# Altium PCB power.PcbDoc (part 3 of 3)
Units mm, origin at the board's own origin, x right, y up, seen from the top; angles counter-clockwise.
Board outline 41 x 59 mm, 4 copper layers (Top Layer, Grpund, Power, Bottom Layer); 116 components, 80 nets, 408 pads, 200 vias.
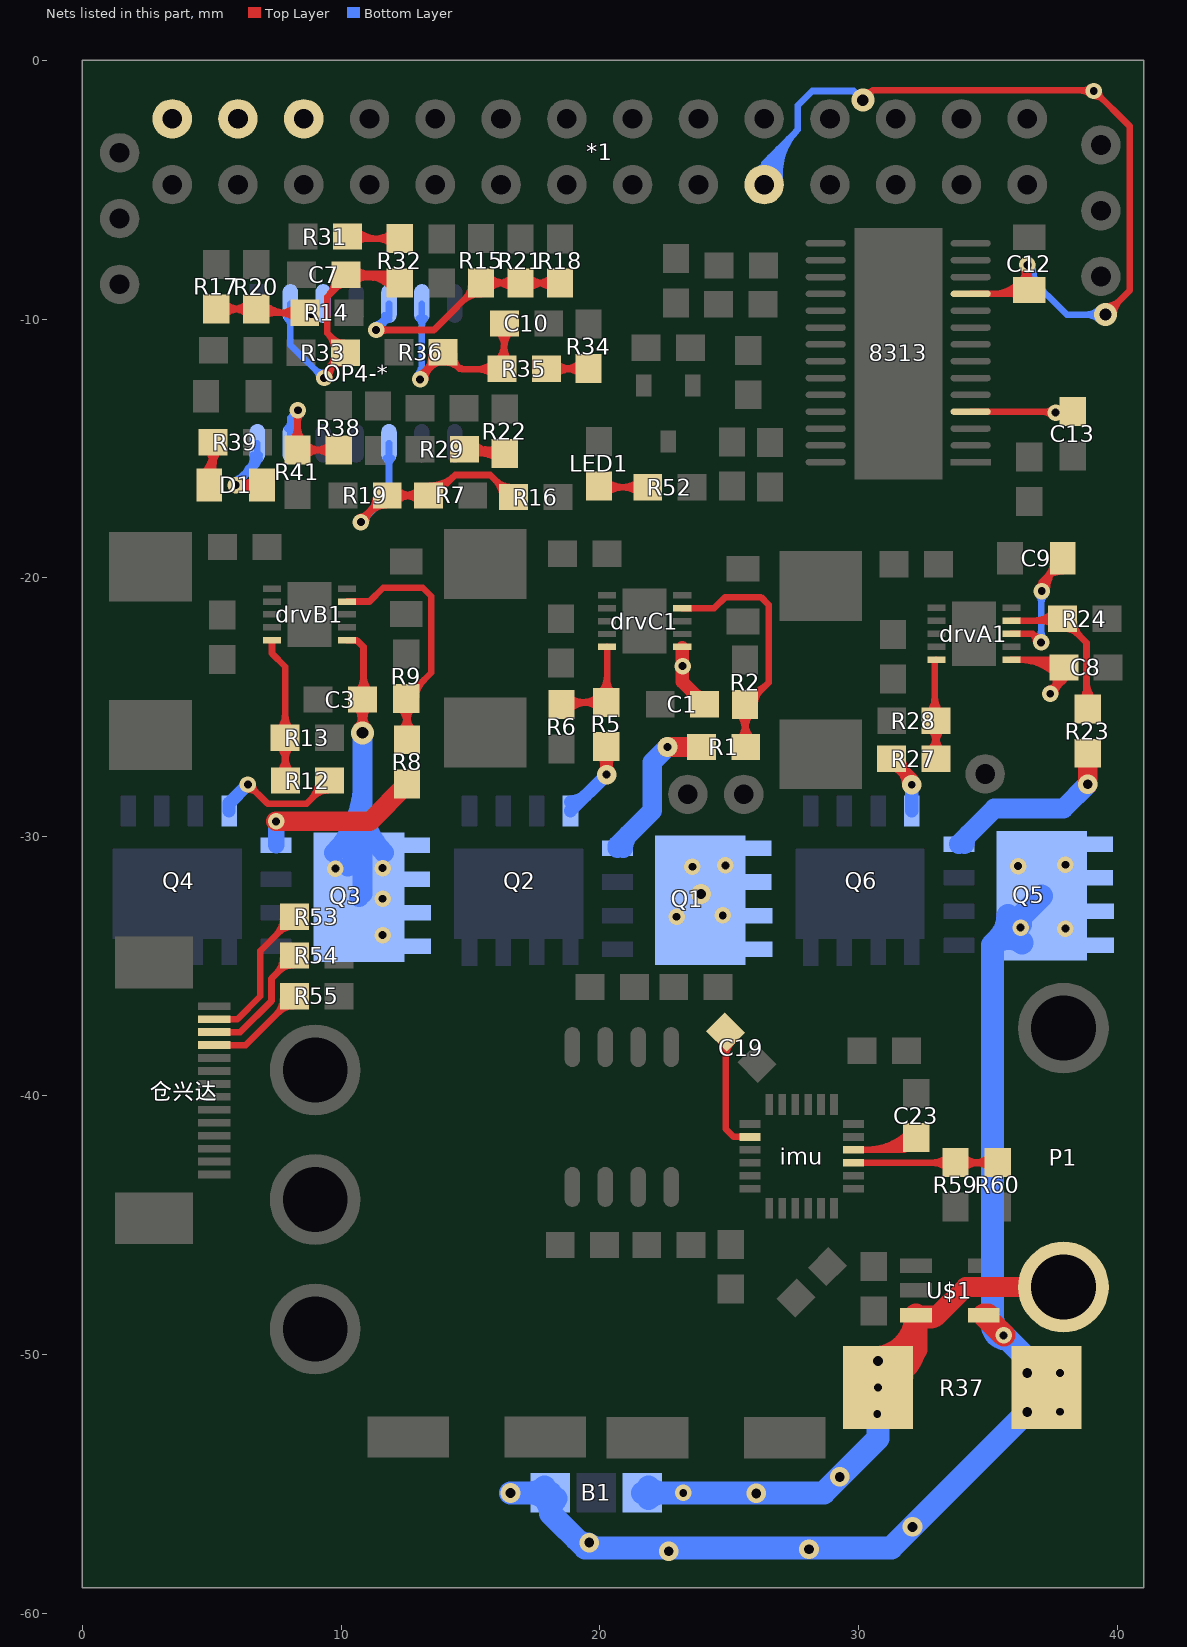
[diagram p5: the nets of this part, all layers, seen from the top]

## Via types
v1: diameter 0.635, hole 0.305, Top Layer to Bottom Layer, 147 vias
v2: diameter 0.889, hole 0.457, Top Layer to Bottom Layer, 25 vias
v3: diameter 0.762, hole 0.381, Top Layer to Bottom Layer, 18 vias
v4: diameter 0.635, hole 0.381, Top Layer to Bottom Layer, 5 vias
v5: diameter 0.762, hole 0.305, Top Layer to Bottom Layer, 4 vias
v6: diameter 0.762, hole 0.457, Top Layer to Bottom Layer, 1 vias

## Nets (pads, with @x,y where several pads share a name; then routed paths per layer and width w, separated by ;. In a path a pad name is that pad's centre, name@x,y a point inside that pad or via, vN(x,y) a via of type N, cw(c..) or ccw(c..) an arc to the next point about the centre after c; other vN are vias at no path point) (continued)
NetC7_2: C7.2 OP4-*.2 R32.1 R33.2 | length 23.1
  Top Layer w0.254: v1@9.298,-12.094 ccw(c9.209,-11.761) 9.507,-11.933 ; v1(9.347,-12.278) 9.347,-12.151 R33.2@10.16,-11.338 ; v1@9.429,-12.069 ccw(c8.666,-11.307) R33.2@9.744,-11.307 ; v1@9.531,-12.228 cw(c10.087,-12.079) 9.589,-11.792 ; v1@9.538,-12.278 cw(c10.304,-12.278) R33.2@9.762,-11.736 ; 9.587,-11.911 cw(c10.125,-12.45) R33.2@10.125,-11.688 ; 9.655,-10.731 ccw(c10.125,-10.261) R33.2@10.125,-10.926 ; R33.2@9.745,-11.279 ccw(c8.814,-11.211) 9.474,-10.55 ; C7.2@9.756,-8.333 cw(c8.779,-8.444) 9.474,-9.139 ; 9.807,-8.807 cw(c10.135,-9.134) C7.2@10.135,-8.671 ; C7.2@9.847,-8.767 ccw(c9.448,-8.368) C7.2@10.008,-8.304 ; R33.2@10.16,-11.363 R33.2@10.16,-11.338 ; C7.2@10.176,-8.259 10.176,-8.437 9.474,-9.139 ; R33.2@10.183,-11.314 R33.2@10.185,-11.312 ; R33.2@10.202,-11.307 R33.2@10.329,-11.307 ; C7.2@10.202,-8.259 R32.1@11.907,-8.259 ; C7.2@10.317,-8.388 cw(c10.635,-8.77) 10.747,-8.286 ; C7.2@10.48,-8.583 cw(c11.046,-9.265) 11.246,-8.401 ; C7.2@10.506,-8.559 cw(c11.23,-9.284) 11.23,-8.259 ; C7.2@10.506,-8.02 ccw(c11.082,-7.444) 11.082,-8.259 ; C7.2@10.56,-8.088 ccw(c10.994,-7.818) 10.878,-8.316 ; C7.2@10.632,-8.259 cw(c10.632,-10.191) R32.1@11.999,-8.825 ; 11.246,-8.259 cw(c11.246,-9.578) R32.1@12.178,-8.645 ; 9.474,-10.55 10.16,-11.236 R33.2@10.16,-11.338 ; 9.474,-10.55 9.474,-9.139
  Bottom Layer w0.254: OP4-*.2@7.92,-9.974 cw(c7.625,-10.27) 8.043,-10.27 cw(c8.46,-10.27) OP4-*.2@8.165,-9.974 ; OP4-*.2@8.043,-9.402 8.043,-10.998 v1@9.335,-12.29 ; 8.979,-11.934 ccw(c9.347,-11.566) v1@9.347,-12.087 ; 9.04,-11.996 cw(c8.758,-12.278) v1@9.157,-12.278
NetC9_2: C9.2 drvA1.3 | length 10.8
  Top Layer w0.254: drvA1.3@35.888,-22.158 36.702,-22.158 v1(37.033,-22.488) ; v1@36.843,-22.488 ccw(c36.383,-22.488) 36.708,-22.163 ccw(c37.033,-21.838) v1@37.033,-22.298 ; v1@36.953,-20.349 ccw(c36.822,-20.152) 37.059,-20.152 ; v1@36.995,-20.507 cw(c37.7,-20.507) 37.202,-20.009 ; v1(37.059,-20.507) 37.059,-20.152 ; v1@37.164,-20.349 cw(c37.295,-20.152) 37.059,-20.152 ; 37.178,-20.033 cw(c37.871,-20.726) C9.2@37.871,-19.745 ; v1@37.249,-20.507 cw(c38.568,-20.507) C9.2@37.635,-19.575 ; 37.258,-19.952 ccw(c36.679,-19.372) C9.2@37.498,-19.372 ; C9.2@37.871,-18.983 C9.2@37.871,-19.237 37.871,-19.339 37.059,-20.152
  Bottom Layer w0.254: v1@36.898,-22.354 ccw(c36.573,-22.028) 37.033,-22.028 ccw(c37.493,-22.028) v1@37.168,-22.354 ; v1@36.924,-20.642 cw(c36.66,-20.906) 37.033,-20.906 ; v1(37.033,-22.488) v1@37.033,-20.507 ; 37.033,-21.028 cw(c37.58,-21.028) v1@37.193,-20.642
NetC10_2: C10.2 OP4-*.6 R35.1 R36.2 | length 18.9
  Top Layer w0.254: v1@13.006,-12.144 ccw(c12.884,-11.687) 13.294,-11.924 ; v1@13.018,-12.316 13.945,-11.389 R36.2@13.945,-11.287 14.567,-11.909 ; v1@13.056,-12.138 ccw(c13.056,-11.801) 13.294,-12.039 ; v1@13.136,-12.198 ccw(c12.225,-11.287) R36.2@13.513,-11.287 ; v1@13.24,-12.279 cw(c13.671,-12.164) 13.284,-11.94 ; v1@13.246,-12.328 cw(c13.829,-12.328) 13.417,-11.916 ; 13.504,-11.83 cw(c13.894,-12.22) R36.2@13.894,-11.668 ; R36.2@13.569,-11.764 ccw(c13.092,-11.287) R36.2@13.767,-11.287 ; R36.2@13.995,-11.668 cw(c13.995,-12.465) 14.559,-11.901 ; R36.2@14.373,-11.337 ccw(c15.049,-11.427) 14.567,-11.909 ; 15.187,-11.947 ccw(c15.187,-10.941) R35.1@15.899,-11.653 ; 15.31,-11.947 cw(c15.31,-12.78) R35.1@15.899,-12.191 ; R35.1@16,-11.653 ccw(c15.26,-10.912) 16.307,-10.912 ; C10.2@16.037,-10.439 cw(c15.387,-11.089) 16.307,-11.089 cw(c17.227,-11.089) C10.2@16.576,-10.439 ; 16.307,-11.092 ccw(c17.1,-11.092) R35.1@16.539,-11.653 ; C10.2@16.307,-10.195 16.307,-11.897 16.256,-11.947 14.687,-11.947 14.649,-11.909 14.567,-11.909
  Bottom Layer w0.254: v1@12.921,-12.194 ccw(c12.434,-11.707) 13.123,-11.707 ; OP4-*.6@13,-9.974 cw(c12.705,-10.27) 13.123,-10.27 cw(c13.54,-10.27) OP4-*.6@13.245,-9.974 ; v1@13.081,-12.328 13.123,-12.287 OP4-*.6@13.123,-9.402
  other v1: 13.056,-12.328
NetC19_1: C19.1 imu.20 | length 6.2
  Top Layer w0.254: C19.1@24.616,-37.839 cw(c24.053,-38.403) 24.85,-38.403 ; 24.85,-38.576 cw(c25.892,-38.576) C19.1@25.155,-37.839 ; C19.1@24.85,-37.534 24.85,-41.268 25.166,-41.583 imu.20@25.79,-41.583
NetC23_2: C23.2 imu.10 | length 6.7
  Top Layer w0.254: imu.10@29.79,-42.083 31.738,-42.083 C23.2@32.207,-41.615 ; 30.278,-42.083 ccw(c30.278,-39.736) C23.2@31.938,-41.396 ; 30.891,-42.083 ccw(c30.891,-40.35) C23.2@32.117,-41.576 ; 31.505,-42.083 ccw(c31.505,-40.963) C23.2@32.297,-41.755
NetD1_1: D1.1 OP4-*.14 | length 9.8
  Top Layer w0.254: v1(5.936,-16.411) D1.1@6.943,-16.411 ; v1@6.033,-16.575 cw(c6.307,-17.042) D1.1@6.447,-16.519 ; v1@6.033,-16.246 ccw(c6.307,-15.779) D1.1@6.447,-16.302 ; v1@6.071,-16.545 cw(c6.396,-16.87) 6.396,-16.411 cw(c6.396,-15.951) v1@6.071,-16.276 ; v1@6.101,-16.506 cw(c6.418,-16.689) 6.323,-16.335 ; v1@6.101,-16.315 ccw(c6.418,-16.132) 6.323,-16.486 ; D1.1@6.68,-16.674 ccw(c6.043,-17.311) 6.043,-16.411 ccw(c6.043,-15.51) D1.1@6.68,-16.147
  Bottom Layer w0.254: v1@5.875,-16.23 ccw(c5.565,-15.326) 6.424,-15.746 ; v1(5.936,-16.411) 6.773,-15.574 ; v1@5.936,-16.22 ccw(c5.936,-15.76) 6.262,-16.085 ccw(c6.587,-16.411) v1@6.127,-16.411 ; 6.249,-16.098 ccw(c5.404,-15.252) OP4-*.14@6.6,-15.252 ; OP4-*.14@6.677,-15.396 cw(c6.559,-15.574) 6.773,-15.574 ; 6.683,-15.664 ccw(c6.271,-15.252) OP4-*.14@6.854,-15.252 ; OP4-*.14@6.773,-14.802 6.773,-15.574 ; OP4-*.14@6.868,-15.396 ccw(c6.986,-15.574) 6.773,-15.574
NetD1_2: D1.2 R39.2 | length 5.2
  Top Layer w0.254: D1.2@4.648,-16.012 ccw(c3.643,-15.007) R39.2@5.064,-15.007 ; R39.2@4.794,-15.029 cw(c4.144,-15.679) 5.064,-15.679 cw(c5.984,-15.679) R39.2@5.333,-15.029 ; D1.2@4.827,-16.191 ccw(c4.256,-15.62) 5.064,-15.62 ; D1.2@4.911,-16.411 5.064,-16.258 R39.2@5.064,-14.76 ; 5.064,-15.743 ccw(c5.444,-15.743) D1.2@5.175,-16.012
NetdrvA1_4: drvA1.4 R23.2 R24.1 | length 11.1
  Top Layer w0.254: drvA1.4@35.888,-21.658 R24.1@37.943,-21.658 ; 36.687,-21.658 ccw(c36.687,-20.452) R24.1@37.539,-21.305 ; 37.091,-21.658 cw(c37.091,-22.292) R24.1@37.539,-21.843 ; 37.3,-21.658 ccw(c37.3,-21.065) R24.1@37.719,-21.484 ; R24.1@37.86,-21.574 R24.1@37.943,-21.658 ; R24.1@37.91,-21.955 cw(c37.91,-22.752) 38.474,-22.188 ; R24.1@38.26,-21.658 R24.1@37.943,-21.658 ; R24.1@38.291,-21.574 ccw(c39.334,-21.574) 38.597,-22.311 ; R23.2@38.567,-24.734 ccw(c38.039,-24.206) 38.786,-24.206 ; 38.786,-23.961 ccw(c39.879,-23.961) R23.2@39.106,-24.734 ; R23.2@38.837,-25.054 38.786,-25.003 38.786,-22.5 R24.1@37.943,-21.658
NetdrvA1_10: drvA1.10 R27.2 R28.1 | length 8.2
  Top Layer w0.254: R28.1@32.661,-25.242 ccw(c32.016,-24.597) 32.928,-24.597 ; R27.2@32.7,-26.715 ccw(c32.021,-26.036) 32.981,-26.036 ; R28.1@32.712,-25.78 cw(c32.061,-26.431) 32.981,-26.431 cw(c33.901,-26.431) R28.1@33.25,-25.78 ; R28.1@32.928,-25.483 drvA1.10@32.928,-23.197 ; 32.928,-24.586 ccw(c33.856,-24.586) R28.1@33.2,-25.242 ; 32.928,-23.298 cw(c33.128,-23.298) drvA1.10@32.986,-23.156 ; R27.2@32.981,-26.972 R28.1@32.981,-25.511 ; 32.981,-26.093 ccw(c33.861,-26.093) R27.2@33.239,-26.715
NetdrvB1_4: drvB1.4 R8.2 R9.1 | length 13.9
  Top Layer w0.254: drvB1.4@10.234,-20.908 11.099,-20.908 11.631,-20.376 13.155,-20.376 13.487,-20.709 13.487,-23.657 12.548,-24.597 R8.2@12.548,-26.248 ; R9.1@12.25,-24.976 cw(c11.533,-25.693) R8.2@12.548,-25.693 ; R8.2@12.278,-25.927 ccw(c11.628,-25.277) 12.548,-25.277 ccw(c13.467,-25.277) R8.2@12.817,-25.927 ; R9.1@12.52,-24.224 ccw(c12.52,-23.256) 13.204,-23.94 ; 12.548,-25.559 cw(c13.373,-25.559) R9.1@12.789,-24.976 ; R9.1@12.901,-24.605 cw(c13.773,-24.605) 13.156,-23.988
NetdrvB1_10: drvB1.10 R12.2 R13.1 | length 10
  Top Layer w0.254: drvB1.10@7.334,-22.408 7.334,-22.914 7.849,-23.428 R12.2@7.849,-27.822 ; R13.1@7.567,-26.441 cw(c6.889,-27.12) 7.849,-27.12 ; R13.1@7.567,-25.902 ccw(c6.889,-25.223) 7.849,-25.223 ; R12.2@7.579,-27.553 ccw(c6.929,-26.903) 7.849,-26.903 ccw(c8.768,-26.903) R12.2@8.118,-27.553 ; 7.849,-27.063 cw(c8.728,-27.063) R13.1@8.106,-26.441 ; 7.849,-25.28 ccw(c8.728,-25.28) R13.1@8.106,-25.902
NetdrvC1_4: drvC1.4 R1.2 R2.1 | length 14.3
  Top Layer w0.254: drvC1.4@23.175,-21.162 24.415,-21.162 24.841,-20.736 26.213,-20.736 26.518,-21.041 26.518,-24.038 25.603,-24.952 R1.2@25.603,-26.502 ; R2.1@25.334,-25.208 cw(c24.683,-25.858) 25.603,-25.858 cw(c26.523,-25.858) R2.1@25.873,-25.208 ; R1.2@25.359,-26.258 ccw(c24.77,-25.669) 25.603,-25.669 ; 25.603,-25.546 ccw(c26.61,-25.546) R1.2@25.898,-26.258 ; R2.1@25.603,-24.71 ccw(c25.603,-24.125) R2.1@26.017,-24.539 ; R2.1@25.603,-24.456 ccw(c25.603,-23.258) 26.45,-24.105 ; R2.1@25.984,-24.837 cw(c26.626,-24.837) 26.172,-24.383
NetdrvC1_10: drvC1.10 R5.2 R6.1 | length 8.1
  Top Layer w0.254: R6.1@18.606,-24.8 R5.2@20.244,-24.8 ; R6.1@18.786,-25.108 cw(c19.531,-25.853) 19.531,-24.8 ; R6.1@18.786,-24.569 ccw(c19.342,-24.013) 19.342,-24.8 ; R5.2@19.974,-25.069 ccw(c19.324,-25.72) 19.324,-24.8 ccw(c19.324,-23.88) R5.2@19.974,-24.53 ; R5.2@19.974,-24.48 ccw(c19.248,-23.753) 20.275,-23.753 ; R5.2@20.275,-24.8 drvC1.10@20.275,-22.662 ; 20.275,-23.905 ccw(c21.088,-23.905) R5.2@20.513,-24.48
Netimu_9: imu.9 R59.2 R60.1 | length 10
  Top Layer w0.254: imu.9@29.79,-42.583 R60.1@35.408,-42.583 ; 32.803,-42.583 ccw(c32.803,-41.651) R59.2@33.462,-42.31 ; 32.82,-42.583 cw(c32.82,-43.491) R59.2@33.462,-42.849 ; R59.2@34.001,-42.849 cw(c34.642,-43.491) 34.642,-42.583 ; R59.2@34.001,-42.31 ccw(c34.66,-41.651) 34.66,-42.583 ; 34.4,-42.583 ccw(c34.4,-41.611) R60.1@35.087,-42.299 ; 34.474,-42.583 cw(c34.474,-43.451) R60.1@35.087,-42.837
NetLED1_2: LED1.2 R52.2 | length 4.7
  Top Layer w0.254: LED1.2@20.015,-16.494 R52.2@21.844,-16.494 ; LED1.2@20.234,-16.763 cw(c20.884,-17.414) 20.884,-16.494 cw(c20.884,-15.574) LED1.2@20.234,-16.225 ; R52.2@21.524,-16.763 ccw(c20.873,-17.414) 20.873,-16.494 ccw(c20.873,-15.574) R52.2@21.524,-16.225
NetOP4-*_3: OP4-*.3 R14.1 R17.2 R20.2 | length 12.2
  Top Layer w0.254: R17.2@5.182,-9.611 R20.2@6.731,-9.611 R20.2@6.833,-9.712 ; R17.2@5.451,-9.88 cw(c6.101,-10.53) 6.101,-9.611 cw(c6.101,-8.691) R17.2@5.451,-9.341 ; R20.2@6.462,-9.88 ccw(c5.811,-10.53) 5.811,-9.611 ccw(c5.811,-8.691) R20.2@6.462,-9.341 ; R20.2@6.782,-9.763 R14.1@8.599,-9.763 ; R20.2@6.821,-9.572 ccw(c7.283,-9.11) 7.283,-9.763 ; R20.2@7,-9.931 cw(c7.406,-10.336) 7.406,-9.763 ; R20.2@7,-9.392 ccw(c7.896,-8.496) 7.896,-9.763 ; R14.1@8.279,-10.032 ccw(c7.628,-10.683) 7.628,-9.763 ccw(c7.628,-8.843) R14.1@8.279,-9.494 ; R14.1@8.282,-9.763 cw(c8.282,-10.396) 8.73,-9.949 ccw(c8.33,-10.348) R14.1@8.33,-9.783 ; R14.1@8.297,-9.783 R14.1@8.551,-9.783 ; R14.1@8.479,-9.783 ccw(c8.479,-9.428) 8.73,-9.679 cw(c8.527,-9.477) R14.1@8.527,-9.763 ; R14.1@8.7,-9.909 ccw(c8.534,-10.005) R14.1@8.534,-9.814 ; R14.1@8.7,-9.718 cw(c8.534,-9.623) R14.1@8.534,-9.814 ; v1(8.865,-9.814) R14.1@8.534,-9.814
NetOP4-*_5: OP4-*.5 R15.1 R18.2 R21.2 | length 19.6
  Top Layer w0.254: v1(11.354,-10.423) 13.586,-10.423 R15.1@15.409,-8.601 ; v1@11.489,-10.558 cw(c11.814,-10.883) 11.814,-10.423 cw(c11.814,-9.963) v1@11.489,-10.289 ; 14.671,-9.338 cw(c15.409,-10.075) R15.1@15.409,-9.033 ; 14.794,-9.215 ccw(c14.23,-8.652) R15.1@15.028,-8.652 ; R15.1@15.434,-8.615 R21.2@16.933,-8.615 ; R15.1@15.678,-8.87 cw(c16.295,-9.488) 16.295,-8.615 ; R15.1@15.678,-8.332 ccw(c16.361,-7.648) 16.361,-8.615 ; R21.2@16.663,-8.884 ccw(c16.013,-9.534) 16.013,-8.615 ccw(c16.013,-7.695) R21.2@16.663,-8.345 ; R21.2@16.958,-8.615 R18.2@18.457,-8.615 ; R21.2@17.202,-8.884 cw(c17.852,-9.534) 17.852,-8.615 cw(c17.852,-7.695) R21.2@17.202,-8.345 ; R18.2@18.187,-8.884 ccw(c17.537,-9.534) 17.537,-8.615 ccw(c17.537,-7.695) R18.2@18.187,-8.345
  Bottom Layer w0.254: v1@11.309,-10.238 ccw(c11.175,-9.676) OP4-*.5@11.676,-9.965 ; v1(11.354,-10.423) 11.328,-10.423 11.853,-9.899 OP4-*.5@11.853,-9.402 ; v1@11.354,-10.233 ccw(c11.354,-9.834) 11.636,-10.116 ; v1@11.524,-10.228 ccw(c11.148,-9.852) OP4-*.5@11.68,-9.852 ; v1@11.538,-10.374 cw(c11.819,-10.299) 11.567,-10.153 ; v1@11.543,-10.446 cw(c12.135,-10.515) OP4-*.5@11.837,-9.999 ; v1@11.544,-10.423 cw(c12.066,-10.423) OP4-*.5@11.697,-10.055 ; 11.638,-10.114 cw(c11.853,-10.328) OP4-*.5@11.853,-10.025
NetOP4-*_10: OP4-*.10 R7.1 R16.2 R19.2 | length 21.5
  Top Layer w0.254: v1@10.655,-17.942 R19.2@11.786,-16.812 R7.1@13.374,-16.812 13.626,-16.812 14.413,-16.024 ; v1@10.72,-17.656 ccw(c10.517,-16.896) 11.198,-17.29 ; v1@10.77,-17.65 ccw(c10.77,-17.22) 11.073,-17.524 ; v1@10.787,-17.65 ccw(c10.815,-17.35) 11.076,-17.501 ; v1@10.96,-17.84 cw(c11.451,-17.84) 11.104,-17.493 ; 11.048,-17.549 ccw(c10.311,-16.812) R19.2@11.354,-16.812 ; 11.171,-17.426 cw(c11.735,-17.99) R19.2@11.735,-17.193 ; R19.2@12.106,-17.081 cw(c12.756,-17.731) 12.756,-16.812 cw(c12.756,-15.892) R19.2@12.106,-16.542 ; R7.1@13.054,-17.081 ccw(c12.403,-17.731) 12.403,-16.812 ccw(c12.403,-15.892) R7.1@13.054,-16.542 ; R7.1@13.425,-16.685 ccw(c13.428,-15.902) 13.982,-16.455 ; R7.1@13.426,-16.431 ccw(c13.432,-15.043) 14.413,-16.024 ; R7.1@13.806,-16.812 cw(c14.241,-16.812) 13.933,-16.504 ; 15.96,-16.222 cw(c15.307,-16.875) R16.2@16.231,-16.875 ; 15.964,-16.226 ccw(c16.612,-15.578) R16.2@16.612,-16.494 ; R16.2@16.662,-16.875 16.613,-16.875 15.762,-16.024 14.413,-16.024
  Bottom Layer w0.254: v1(10.77,-17.84) 11.853,-16.757 OP4-*.10@11.853,-14.802 ; v1@10.77,-17.65 ccw(c10.77,-17.19) 11.095,-17.515 ccw(c11.42,-17.84) v1@10.96,-17.84 ; OP4-*.10@11.73,-15.374 cw(c11.435,-15.67) 11.853,-15.67 cw(c12.27,-15.67) OP4-*.10@11.975,-15.374
NetOP4-*_13: OP4-*.13 R38.1 R41.2 | length 12
  Top Layer w0.254: R41.2@8.049,-14.739 ccw(c7.397,-14.086) 8.319,-14.086 ; v1@8.196,-13.657 cw(c7.9,-13.954) 8.319,-13.954 ; 8.319,-14.09 ccw(c9.236,-14.09) R41.2@8.588,-14.739 ; 8.319,-14.011 cw(c8.82,-14.011) v1@8.466,-13.657 ; v1@8.319,-13.559 R41.2@8.319,-15.059 R38.1@9.906,-15.058 ; R41.2@8.588,-15.328 cw(c9.24,-15.981) 9.24,-15.058 ; R41.2@8.588,-14.789 ccw(c9.236,-14.141) 9.236,-15.058 ; R38.1@9.637,-15.327 ccw(c8.986,-15.978) 8.986,-15.058 ccw(c8.986,-14.138) R38.1@9.637,-14.789
  Bottom Layer w0.254: OP4-*.13@7.92,-14.23 ccw(c7.625,-13.934) 8.043,-13.934 ccw(c8.46,-13.934) OP4-*.13@8.165,-14.23 ; OP4-*.13@8.043,-14.802 8.043,-13.811 v1(8.331,-13.522) ; OP4-*.13@8.043,-14.679 cw(c9.488,-14.679) v1@8.466,-13.657 ; OP4-*.13@8.043,-14.066 cw(c8.875,-14.066) v1@8.286,-13.477
NetQ1_G: Q1.G R1.1 | length 6.6
  Top Layer w0.762: v5(22.606,-26.527) R1.1@23.915,-26.527
  Bottom Layer w0.762: Q1.G@20.676,-30.44 20.676,-30.328 22.022,-28.981 22.022,-27.111 v5(22.606,-26.527) ; Q1.G@20.895,-30.44 cw(c21.694,-30.44) 21.129,-29.874
NetQ2_G: Q2.G R5.1 | length 9.7
  Top Layer w0.254: R5.1@19.978,-26.837 cw(c19.334,-27.497) v5@20.256,-27.485 ; v5@20.062,-27.431 ccw(c19.758,-27.178) 20.139,-27.07 ccw(c20.616,-26.936) v5@20.379,-27.371 ; v5@20.076,-27.417 ccw(c19.637,-26.988) 20.25,-26.981 ccw(c20.863,-26.973) v5@20.435,-27.412 ; v5@20.132,-27.373 ccw(c19.894,-26.955) 20.36,-27.073 ccw(c20.732,-27.168) v5@20.447,-27.424 ; R5.1@20.244,-26.513 20.244,-26.527 v5(20.258,-27.594) ; v5@20.256,-27.482 cw(c21.174,-27.471) R5.1@20.517,-26.83
  Top Layer w0.508: R5.1@20.064,-26.744 cw(c19.597,-27.211) 20.258,-27.211 ; v5(20.258,-27.594) R5.1@20.258,-26.527 ; 20.258,-27.144 cw(c20.824,-27.144) R5.1@20.423,-26.744
  Bottom Layer w0.508: Q2.G@18.861,-28.991 v5(20.258,-27.594) ; Q2.G@18.861,-28.645 ccw(c18.861,-27.809) 19.451,-28.4
NetQ3_G: Q3.G R8.1 | length 6.6
  Top Layer w0.762: v1(7.493,-29.397) 11.112,-29.397 R8.1@12.548,-27.961
  Bottom Layer w0.635: Q3.G@7.493,-30.326 v1(7.493,-29.397)
NetQ4_G: Q4.G R12.1 | length 7.4
  Top Layer w0.254: v1@6.375,-27.924 7.163,-28.711 8.673,-28.711 R12.1@9.562,-27.822 ; v1@6.401,-28.165 cw(c6.401,-28.687) 6.769,-28.318 ; v1@6.591,-27.975 ccw(c6.99,-27.975) 6.708,-28.257 ; 8.825,-28.56 ccw(c8.088,-27.822) R12.1@9.13,-27.822 ; 8.948,-28.437 cw(c9.511,-29.001) R12.1@9.511,-28.203
  Bottom Layer w0.508: Q4.G@5.676,-28.991 5.676,-28.7 v1(6.401,-27.975)
NetQ5_G: Q5.G R23.1 | length 7.9
  Top Layer w0.762: v3(38.837,-27.965) R23.1@38.837,-26.767
  Bottom Layer w0.508: Q5.G@33.858,-30.275 Q5.G@34.165,-30.275
  Bottom Layer w0.762: Q5.G@33.858,-30.275 35.228,-28.905 37.897,-28.905 v3(38.837,-27.965) ; Q5.G@34.077,-30.275 cw(c34.606,-30.275) 34.232,-29.901
NetQ6_G: Q6.G R27.1 | length 3.9
  Top Layer w0.508: R27.1@31.256,-26.984 32.041,-27.769 v5(32.041,-27.986) ; R27.1@31.306,-27.238 cw(c31.306,-27.729) R27.1@31.653,-27.382 ; R27.1@31.56,-26.984 ccw(c32.296,-26.984) 31.776,-27.505 ; R27.1@31.671,-27.399 cw(c31.084,-27.986) v5@31.914,-27.986
  Bottom Layer w0.508: Q6.G@32.041,-28.991 v5(32.041,-27.986)
NetR22_1: R22.1 R29.2 | length 6.1
  Top Layer w0.254: R29.2@14.808,-15.046 14.947,-15.185 R22.1@16.319,-15.185 ; R29.2@14.911,-14.944 ccw(c15.493,-14.361) 15.493,-15.185 ; R29.2@15.09,-15.303 cw(c15.375,-15.588) 15.375,-15.185 ; R29.2@15.09,-14.764 ccw(c16.106,-13.748) R22.1@16.106,-15.185 ; 15.562,-15.039 ccw(c15.679,-14.604) R22.1@16.026,-14.891 ; 15.647,-15.062 cw(c15.501,-15.607) R22.1@15.99,-15.325 ; R22.1@16.05,-15.454 ccw(c15.4,-16.105) 15.4,-15.185 ccw(c15.4,-14.265) R22.1@16.05,-14.916
NetR31_1: R31.1 R32.2 | length 5.4
  Top Layer w0.152: R32.2@12.04,-6.715 12.217,-6.893 R32.2@12.268,-6.944
  Top Layer w0.254: R31.1@10.248,-6.817 10.324,-6.893 12.217,-6.893 R32.2@12.268,-6.893 ; R31.1@10.568,-7.086 cw(c11.035,-7.552) 11.035,-6.893 ; R31.1@10.568,-6.547 ccw(c11.403,-5.713) 11.403,-6.893 ; R32.2@11.999,-7.162 ccw(c11.348,-7.813) 11.348,-6.893 ccw(c11.348,-5.973) R32.2@11.999,-6.623 ; R32.2@12.04,-6.715 R32.2@12.192,-6.715
NetR34_1: R34.1 R35.2 | length 4.5
  Top Layer w0.254: R35.2@17.932,-11.922 R34.1@19.507,-11.922 ; R35.2@18.253,-12.191 cw(c18.903,-12.842) 18.903,-11.922 cw(c18.903,-11.002) R35.2@18.253,-11.653 ; 18.605,-11.922 ccw(c18.605,-10.956) R34.1@19.289,-11.639 ; 18.671,-11.922 cw(c18.671,-12.795) R34.1@19.289,-12.178
NetR53_2: R53.2 仓兴达.2 | length 7.2
  Top Layer w0.254: 仓兴达.2@5.105,-37.037 6,-37.037 6.883,-36.154 6.883,-34.401 R53.2@8.204,-33.08 ; 7.467,-33.817 ccw(c6.73,-33.08) R53.2@7.772,-33.08 ; 7.59,-33.695 cw(c8.153,-34.258) R53.2@8.153,-33.461
NetR54_2: R54.2 仓兴达.3 | length 6.3
  Top Layer w0.254: 仓兴达.3@5.105,-37.537 6.11,-37.537 7.315,-36.331 7.315,-35.468 R54.2@8.204,-34.579 ; 7.467,-35.316 ccw(c6.73,-34.579) R54.2@7.772,-34.579 ; 7.59,-35.193 cw(c8.153,-35.757) R54.2@8.153,-34.96
NetR55_2: R55.2 仓兴达.4 | length 5.3
  Top Layer w0.254: 仓兴达.4@5.105,-38.037 6.321,-38.037 R55.2@8.204,-36.154 ; 7.467,-36.891 ccw(c6.73,-36.154) R55.2@7.772,-36.154 ; 7.59,-36.768 cw(c8.153,-37.332) R55.2@8.153,-36.535
VA.: *1.12
VB.: *1.13
VBAT: B1.1 P1.1 R37.2 U$1.3 | length 34.7
  Top Layer w0.762: U$1.3@32.202,-48.467 33.041,-48.467 ; U$1.3@32.488,-48.559 ccw(c32.701,-48.127) 33.041,-48.467 ; U$1.3@32.533,-48.569 ccw(c32.533,-47.587) 33.227,-48.281 ; P1.1@37.897,-47.38 34.128,-47.38 33.041,-48.467
  Top Layer w0.889: R37.2@30.62,-51.211 cw(c31.132,-51.461) R37.2@30.947,-50.922 ; R37.2@30.672,-50.108 ccw(c30.558,-48.468) U$1.3@32.202,-48.467 32.202,-49.794 ; R37.2@30.726,-50.304 ccw(c30.94,-48.532) 32.202,-49.794 ; R37.2@30.734,-50.995 ccw(c30.624,-49.421) 32.202,-49.421 ; R37.2@30.783,-50.201 cw(c30.179,-50.705) R37.2@30.735,-51.261 32.202,-49.794 ; R37.2@30.96,-50.134 ccw(c31.283,-48.875) 32.202,-49.794 ; R37.2@31.641,-51.011 cw(c33.223,-51.011) 32.104,-49.892
  Bottom Layer w0.889: B1.1@21.641,-55.331 28.642,-55.331 30.734,-53.238 v1(30.734,-51.267) ; B1.1@21.865,-55.555 cw(c22.407,-56.097) 22.407,-55.331 cw(c22.407,-54.564) B1.1@21.865,-55.106
  other v1: 23.216,-55.331 30.709,-52.283
  other v3: 26.035,-55.347 29.261,-54.712 30.734,-50.241
VC.: *1.14
VCC: 8313.4 8313.11 *1.24 B1.3 C1.1 C3.1 C8.1 C12.2 C13.1 drvA1.1 drvB1.1 drvC1.1 Q1.D Q3.D Q5.D R37.1 U$1.4 | length 156.5
  Top Layer w0.254: drvB1.1@10.234,-22.408 10.615,-22.408 10.869,-22.662 C3.1@10.869,-24.694 ; drvB1.1@10.459,-22.406 cw(c10.459,-22.778) 10.722,-22.515 ; C3.1@10.56,-24.964 cw(c9.91,-25.614) 10.83,-25.614 cw(c11.75,-25.614) C3.1@11.099,-24.964 ; v2@10.605,-25.753 ccw(c10.063,-25.211) 10.83,-25.211 ccw(c11.596,-25.211) v2@11.054,-25.753 ; C3.1@10.611,-24.425 ccw(c9.989,-23.803) 10.869,-23.803 ; v2@10.62,-25.74 ccw(c10.339,-25.422) 10.749,-25.312 ; v2@10.671,-25.703 ccw(c10.448,-25.317) 10.879,-25.432 ; 10.781,-25.432 ccw(c11.211,-25.317) v2@10.989,-25.703 ; v2(10.83,-25.978) C3.1@10.83,-24.694 ; 10.869,-23.746 ccw(c11.829,-23.746) C3.1@11.15,-24.425 ; 10.911,-25.312 ccw(c11.321,-25.422) v2@11.04,-25.74 ; v2(30.15,-1.549) 30.531,-1.168 ; v2@30.237,-1.244 ccw(c30.32,-0.957) 30.531,-1.168 ; v2@30.455,-1.462 cw(c30.742,-1.379) 30.531,-1.168 ; 8313.4@34.315,-13.579 C13.1@38.252,-13.577 ; 8313.11@34.315,-9.029 36.502,-9.029 v1(36.502,-7.911) cw(c35.591,-7.911) C12.2@36.194,-8.594 ; 35.167,-9.029 ccw(c35.167,-7.6) C12.2@36.177,-8.61 ; 35.78,-9.029 ccw(c35.78,-8.213) C12.2@36.357,-8.79 ; drvA1.1@35.888,-23.158 37.614,-23.158 C8.1@37.91,-23.454 37.91,-23.948 v1(37.389,-24.47) ccw(c36.877,-23.958) C8.1@37.521,-23.628 ; 35.914,-9.029 cw(c35.914,-9.401) C12.2@36.177,-9.138 ; drvA1.1@36.225,-23.158 cw(c36.225,-25.088) C8.1@37.59,-23.723 ; v1@36.337,-8.006 cw(c35.939,-8.236) 36.383,-8.355 cw(c36.827,-8.474) v1@36.597,-8.076 ; v1@36.367,-8.046 cw(c36.042,-8.371) 36.502,-8.371 cw(c36.962,-8.371) v1@36.637,-8.046 ; v1@36.407,-8.076 cw(c36.27,-8.314) 36.535,-8.243 ; v1@36.502,-8.121 ccw(c37.194,-8.121) C12.2@36.705,-8.61 ; C12.2@36.57,-8.376 cw(c36.934,-8.279) v1@36.647,-8.035 ; 36.839,-23.158 cw(c36.839,-24.475) C8.1@37.77,-23.543 ; 37.046,-13.579 cw(c37.046,-14.16) v1@37.457,-13.749 ; 37.218,-13.579 ccw(c37.218,-13.24) v1@37.457,-13.48 ; v1@37.329,-13.579 ccw(c37.329,-12.654) C13.1@37.983,-13.308 ; v1@37.336,-13.579 cw(c37.336,-14.493) C13.1@37.983,-13.847 ; v1@37.339,-24.286 ccw(c37.141,-23.544) C8.1@37.806,-23.928 ; v1@37.369,-24.28 ccw(c37.34,-24.009) 37.576,-24.145 ccw(c37.812,-24.282) v1@37.563,-24.392 ; v1@37.389,-24.279 ccw(c37.389,-23.819) 37.714,-24.144 ccw(c38.039,-24.47) v1@37.579,-24.47 ; v1@37.427,-24.283 ccw(c37.472,-24.069) 37.661,-24.178 ; 37.635,-24.223 ccw(c37.203,-23.791) C8.1@37.747,-23.512 ; v1@37.727,-13.749 cw(c38.138,-14.16) C13.1@38.138,-13.579 ; v1@37.727,-13.48 ccw(c37.966,-13.24) C13.1@37.966,-13.579 ; 37.881,-23.977 ccw(c37.528,-23.624) C8.1@37.973,-23.396 ; 38.544,-1.168 cw(c38.544,-1.715) v1@38.93,-1.329 ; 38.667,-1.168 ccw(c38.667,-0.795) v1@38.93,-1.059 ; v1@39.065,-1.384 cw(c39.065,-1.906) 39.434,-1.537 ; v1@39.256,-1.194 ccw(c39.654,-1.194) 39.372,-1.476 ; v2(39.522,-9.83) 40.462,-8.89 40.462,-2.565 39.065,-1.168 30.531,-1.168 ; v2@39.522,-9.512 ccw(c39.522,-8.746) 40.064,-9.288 ccw(c40.606,-9.83) v2@39.84,-9.83
  Top Layer w0.508: drvC1.1@23.175,-22.694 23.175,-24.011 C1.1@24.04,-24.876 ; 23.52,-24.356 cw(c23,-24.876) C1.1@23.735,-24.876 ; C1.1@23.643,-24.478 ccw(c23.989,-24.131) C1.1@23.989,-24.622
  Top Layer w0.889: U$1.4@34.823,-48.467 v1@35.596,-49.24 ; U$1.4@34.988,-48.467 ccw(c35.387,-48.467) 35.105,-48.749
  Bottom Layer w0.254: *1.24@26.179,-4.196 ccw(c26.125,-3.988) 26.34,-3.988 ; *1.24@26.214,-4.829 cw(c27.449,-4.644) 26.566,-3.761 ; *1.24@26.34,-4.81 26.34,-3.988 ; *1.24@26.465,-4.791 cw(c28.069,-4.552) 26.922,-3.405 ; *1.24@26.5,-4.196 cw(c26.555,-3.988) 26.34,-3.988 ; *1.24@26.717,-4.754 cw(c28.689,-4.459) 27.279,-3.049 ; *1.24@26.968,-4.716 cw(c29.309,-4.366) 27.635,-2.692 ; v2(30.15,-1.549) 29.794,-1.194 28.194,-1.194 27.635,-1.753 27.635,-2.692 ; v1@36.383,-8.06 cw(c36.184,-8.308) 36.502,-8.308 ; v1@36.439,-7.911 ccw(c37.244,-7.911) 36.675,-8.481 ; v1(36.502,-7.911) 36.502,-8.308 ; v1@36.621,-8.06 ccw(c36.821,-8.308) 36.502,-8.308 ; v1@36.693,-7.911 ccw(c38.111,-7.911) 37.108,-8.914 ; v2@39.298,-10.054 ccw(c38.756,-10.596) 38.756,-9.83 ccw(c38.756,-9.063) v2@39.298,-9.605 ; v2(39.522,-9.83) 38.024,-9.83 36.502,-8.308 ; 26.34,-3.988 27.635,-2.692
  Bottom Layer w0.762: Q3.D@9.725,-30.607 ccw(c7.057,-27.94) 10.83,-27.94 ; Q3.D@10.264,-31.146 ccw(c8.897,-29.779) 10.83,-29.779 ; Q3.D@10.693,-32.325 10.83,-32.189 v2(10.83,-25.978) ; 10.83,-28.601 ccw(c13.667,-28.601) Q3.D@11.661,-30.607
  Bottom Layer w0.889: v3(16.545,-55.331) B1.3@18.085,-55.331 18.085,-56.118 19.422,-57.455 31.251,-57.455 37.795,-50.911 37.246,-50.911 ; B1.3@17.86,-55.106 cw(c17.318,-54.564) 17.318,-55.331 cw(c17.318,-56.097) 17.86,-55.555 cw(c17.318,-56.097) 18.085,-56.097 cw(c18.851,-56.097) B1.3@18.309,-55.555 ; 19.069,-57.102 ccw(c19.583,-56.587) v3@19.583,-57.315 ; v3@19.538,-57.297 ccw(c19.921,-56.914) 19.921,-57.455 ; 35.154,-48.515 ccw(c36.321,-48.515) v1@35.496,-49.34 ; Q5.D@35.36,-33.973 ccw(c34.412,-33.025) Q5.D@35.753,-33.025 ; v1@35.543,-49.37 cw(c35.739,-48.819) 35.154,-48.819 ; Q5.D@35.753,-33.58 cw(c36.246,-34.072) Q5.D@36.246,-33.376 ; Q5.D@36.119,-33.503 cw(c36.815,-33.503) Q5.D@36.323,-33.01 ; 36.231,-49.896 cw(c35.429,-50.698) v3@36.563,-50.698 ; Q5.D@36.297,-34.086 ccw(c35.781,-34.806) 35.154,-34.179 ; v3@36.472,-50.641 cw(c36.813,-51.337) 37.2,-50.666 ; v3@36.495,-50.635 cw(c36.572,-51.585) 37.246,-50.911 ; 36.729,-50.394 ccw(c37.77,-49.354) v1@37.77,-50.825 ; Q5.D@37.058,-32.275 35.154,-34.179 ; 35.154,-48.819 v1(35.585,-49.251) 37.246,-50.911 ; 35.154,-48.819 35.154,-34.179 ; v3@36.455,-50.743 ccw(c36.86,-50.338) 36.86,-50.911 cw(c36.86,-50.338) v3@36.455,-50.743
  other v1: 37.77,-52.198 37.77,-50.698 11.608,-33.791 37.973,-33.537 36.246,-33.503 22.962,-33.08 24.74,-33.029 11.608,-32.385 9.779,-31.226 11.608,-31.201 23.571,-31.15 36.144,-31.124 24.841,-31.099 37.973,-31.074 23.19,-23.403 37.592,-13.614 39.065,-1.194
  other v3: 22.657,-57.582 28.067,-57.506 19.583,-57.252 32.064,-56.642 36.5,-52.206 36.5,-50.698 23.901,-32.207
pads on no net: 8313.12 8313.13 8313.19 8313.21 AS5600.3 AS5600.5 DaughterBoard.1 drvA1.0 drvA1.2 drvB1.0 drvB1.2 drvC1.0 drvC1.2 imu.2 imu.3 imu.4 imu.5 imu.6 imu.7 imu.11 imu.12 imu.14 imu.15 imu.16 imu.17 imu.19 imu.21 imu.22 MotorMount.1 MotorMount.2 MotorMount.3

## Polygon pours and split planes (outlines as drawn)
GND on Bottom Layer "Top Layer-No Net" (solid, pour order 6): 41,0 0,0 0,-59 41,-59
GND on Top Layer "Top Layer-No Net" (solid, pour order 4): 0,0 41,0 41,-59 0,-59
Net8313_9 on Grpund (split plane): 38.352,-9.809 38.352,-12.01 36.444,-13.917 31.394,-13.917 31.328,-13.926 31.266,-13.951 31.213,-13.992 25.905,-19.301 25.864,-19.354 25.838,-19.415 25.83,-19.482 25.83,-25.167 20.113,-30.883 20.073,-30.936 20.047,-30.998 20.038,-31.064 20.038,-33.473 19.35,-34.161 16.438,-34.161 14.252,-31.974 14.252,-29.619 19.025,-29.619 19.091,-29.61 19.153,-29.584 19.206,-29.544 23.625,-25.124 23.666,-25.071 23.674,-25.053 23.692,-25.009 23.7,-24.943 23.7,-18.699 23.804,-18.595 23.826,-18.586 23.879,-18.545 25.835,-16.59 25.876,-16.536 25.901,-16.475 25.91,-16.408 25.91,-12.956 35.56,-12.956 35.626,-12.947 35.688,-12.922 35.741,-12.881 36.427,-12.195 36.468,-12.142 36.475,-12.124 36.493,-12.081 36.502,-12.014 36.502,-10.497 36.493,-10.431 36.468,-10.369 36.427,-10.316 36.071,-9.96 36.758,-9.273 37.816,-9.273
Net8313_5 on Grpund (split plane): 39.444,-16.515 39.444,-19.376 34.007,-24.812 33.967,-24.866 33.941,-24.927 33.932,-24.994 33.932,-32.304 31.441,-34.796 28.478,-34.796 27.307,-33.625 27.307,-29.949 30.328,-29.949 30.394,-29.94 30.456,-29.914 30.509,-29.874 31.449,-28.934 31.489,-28.881 31.515,-28.819 31.524,-28.753 31.524,-23.296 35.957,-18.863 35.998,-18.81 36.023,-18.748 36.032,-18.682 36.032,-17.01 37.292,-15.75 38.68,-15.75
Net8313_8 on Grpund (split plane): 35.487,-10.088 35.528,-10.141 35.99,-10.603 35.99,-11.908 35.454,-12.444 20.549,-12.444 20.482,-12.453 20.421,-12.478 20.367,-12.519 12.365,-20.521 11.303,-20.521 11.237,-20.53 11.175,-20.555 11.122,-20.596 9.115,-22.603 9.075,-22.656 9.049,-22.717 9.04,-22.784 9.04,-32.279 6.472,-34.847 3.18,-34.847 2.237,-33.904 2.237,-30.307 4.296,-28.248 4.337,-28.195 4.355,-28.151 4.362,-28.133 4.371,-28.067 4.371,-24.185 12.399,-16.157 12.422,-16.148 12.475,-16.107 18.547,-10.035 35.465,-10.035
GND on Grpund (split plane): 40.49,-58.49 0.51,-58.49 0.51,-0.51 40.49,-0.51
VCC on Power (split plane): 27.633,-4.738 27.633,-8.341 27.642,-8.407 27.667,-8.469 27.708,-8.522 29.157,-9.971 29.157,-16.845 27.173,-18.829 15.522,-18.829 15.522,-17.175 15.535,-17.173 15.597,-17.148 15.65,-17.107 16.818,-15.939 16.859,-15.885 16.884,-15.824 16.893,-15.757 16.893,-12.206 20.369,-8.731 20.369,-13.421 20.377,-13.487 20.403,-13.549 20.444,-13.602 25.066,-18.225 25.12,-18.265 25.181,-18.291 25.248,-18.3 26.721,-18.3 26.787,-18.291 26.849,-18.265 26.902,-18.225 28.096,-17.031 28.136,-16.978 28.162,-16.916 28.171,-16.85 28.171,-15.91 28.162,-15.843 28.136,-15.782 28.096,-15.729 26.164,-13.797 26.164,-6.274 26.155,-6.207 26.13,-6.146 26.089,-6.093 25.301,-5.304 25.301,-3.898 26.792,-3.898
3.3D on Power (split plane): 24.788,-5.41 24.797,-5.477 24.823,-5.538 24.863,-5.591 25.652,-6.38 25.652,-13.903 25.661,-13.97 25.686,-14.031 25.727,-14.084 27.658,-16.016 27.658,-16.743 26.615,-17.787 25.354,-17.787 20.881,-13.314 20.881,-8.218 22.711,-6.388 22.752,-6.335 22.77,-6.291 22.777,-6.273 22.786,-6.207 22.786,-4.327 22.777,-4.261 22.77,-4.243 22.752,-4.199 22.727,-4.168 24.774,-4.168 24.788,-4.166
VBAT on Power (split plane): 40.49,-49.604 36.027,-49.604 35.96,-49.613 35.899,-49.638 35.845,-49.679 29.57,-55.954 21.172,-55.954 20.322,-55.104 20.322,-52.719 24.897,-48.145 34.569,-48.145 34.636,-48.136 34.697,-48.11 34.751,-48.07 35.919,-46.901 35.96,-46.848 35.985,-46.786 35.994,-46.72 35.994,-45.831 35.985,-45.765 35.96,-45.703 35.919,-45.65 35.683,-45.414 40.49,-45.414
3.3A on Power (split plane): 35.278,-37.089 35.278,-44.902 30.015,-44.902 25.504,-40.391 25.504,-36.179 25.502,-36.166 27.097,-34.572 32.761,-34.572
3.3 on Power (split plane): 34.135,-20.68 34.135,-21.966 33.625,-22.477 31.043,-22.477 30.306,-21.739 30.252,-21.698 30.191,-21.673 30.124,-21.664 5.999,-21.664 4.904,-20.569 4.904,-19.685 4.897,-19.63 5.186,-19.341 32.796,-19.341
3.3A on Power (split plane): 21.86,-3.929 21.867,-3.978 21.892,-4.04 21.933,-4.093 22.274,-4.434 22.274,-6.101 16.456,-11.919 16.415,-11.972 16.39,-12.033 16.381,-12.1 16.381,-15.651 15.347,-16.685 15.332,-16.678 15.265,-16.67 15.199,-16.678 15.137,-16.704 15.084,-16.745 15.044,-16.798 15.018,-16.859 15.009,-16.926 15.009,-18.829 5.699,-18.829 7.928,-16.599 7.969,-16.546 7.994,-16.484 8.003,-16.418 8.003,-15.63 8.003,-10.022 9.25,-8.775 16.764,-8.775 16.83,-8.766 16.892,-8.74 16.945,-8.7 20.146,-5.499 20.186,-5.446 20.212,-5.384 20.221,-5.318 20.221,-3.834 21.764,-3.834
VCC on Power (split plane): 158 vertices, not listed, extent 0.51,-58.49 40.49,-0.51
5V on Power (split plane): 19.708,-5.212 16.658,-8.262 9.144,-8.262 9.078,-8.271 9.06,-8.278 9.016,-8.297 8.963,-8.337 7.566,-9.734 7.525,-9.787 7.5,-9.849 7.491,-9.915 7.491,-15.63 7.491,-16.312 4.899,-18.904 3.324,-20.478 3.283,-20.532 3.258,-20.593 3.249,-20.66 3.249,-23.149 3.258,-23.215 3.283,-23.277 3.324,-23.33 5.423,-25.429 5.476,-25.469 5.512,-25.484 5.538,-25.495 5.604,-25.504 20.839,-25.504 21.943,-26.608 21.943,-33.131 21.952,-33.197 21.978,-33.259 22.018,-33.312 24.991,-36.285 24.991,-40.497 25,-40.563 25.026,-40.625 25.066,-40.678 29.727,-45.339 29.78,-45.38 29.799,-45.387 29.842,-45.405 29.909,-45.414 34.959,-45.414 35.482,-45.937 35.482,-46.614 34.463,-47.632 28.326,-47.632 21.618,-40.924 21.618,-36.306 21.609,-36.24 21.601,-36.222 21.583,-36.178 21.543,-36.125 14.345,-28.927 14.292,-28.887 14.23,-28.861 14.164,-28.852 5.024,-28.852 2.339,-26.167 2.339,-12.917 8.336,-6.92 16.205,-6.92 16.272,-6.912 16.333,-6.886 16.386,-6.845 17.656,-5.575 17.697,-5.522 17.71,-5.491 17.723,-5.461 17.731,-5.394 17.731,-4.23 18.011,-3.951 18.06,-3.93 18.114,-3.89 18.154,-3.836 18.155,-3.834 19.708,-3.834

## Keep-outs
Keep-Out Layer:
  the board outline again, w0.254

## Other copper
Power (plane layer: these items are gaps in the copper):
  lines w0.381: 17.932,-3.708 17.999,-3.642 20.676,-3.642 21.844,-3.642 22.114,-3.912
  lines w0.508: 4.648,-19.685 4.648,-20.676 5.893,-21.92 30.124,-21.92 30.937,-22.733 33.731,-22.733 34.392,-22.073 34.392,-20.574 32.902,-19.085 27.28,-19.085 ; 15.265,-19.085 15.265,-16.926 ; 15.469,-16.926 16.637,-15.757 16.637,-12.1 22.53,-6.207 22.53,-4.327 22.114,-3.912 24.774,-3.912 25.044,-3.642 ; 17.932,-3.708 17.891,-3.708 17.475,-4.124 17.475,-5.394 16.205,-6.664 8.23,-6.664 2.083,-12.811 2.083,-26.273 4.918,-29.108 14.164,-29.108 21.361,-36.306 21.361,-41.03 28.219,-47.888 ; 19.964,-3.734 19.964,-5.318 16.764,-8.518 9.144,-8.518 7.747,-9.915 7.747,-15.63 7.747,-16.418 5.08,-19.085 ; 20.625,-8.137 20.625,-13.421 25.248,-18.043 26.721,-18.043 27.915,-16.85 27.915,-15.91 25.908,-13.903 25.908,-6.274 25.044,-5.41 25.044,-3.642 ; 20.95,-25.252 22.2,-26.502 22.2,-33.131 25.248,-36.179 25.248,-40.497 29.909,-45.158 35.065,-45.158 ; 20.955,-25.248 5.604,-25.248 3.505,-23.149 3.505,-20.66 5.08,-19.085 ; 25.187,-36.119 26.991,-34.315 32.868,-34.315 35.535,-36.982 35.535,-45.11 ; 29.896,-1.549 30.15,-1.549 ; 40.957,-45.158 35.065,-45.158 ; 41.021,-49.86 36.027,-49.86 29.677,-56.21 21.066,-56.21 20.066,-55.21 20.066,-52.613 24.79,-47.888 28.219,-47.888 ; 5.08,-19.085 27.28,-19.085 ; 25.044,-3.642 26.899,-3.642 27.889,-4.632 27.889,-8.341 29.413,-9.865 29.413,-16.951 27.28,-19.085 ; 28.219,-47.888 34.569,-47.888 35.738,-46.72 35.738,-45.831 35.065,-45.158
Grpund (plane layer: these items are gaps in the copper):
  lines w0.508: 1.981,-34.036 1.981,-30.201 4.115,-28.067 4.115,-24.079 12.268,-15.926 12.294,-15.926 18.44,-9.779 35.89,-9.779 ; 2.007,-34.036 3.073,-35.103 6.579,-35.103 9.296,-32.385 9.296,-22.784 11.303,-20.777 12.471,-20.777 20.549,-12.7 35.56,-12.7 36.246,-12.014 36.246,-10.497 35.709,-9.96 36.652,-9.017 37.922,-9.017 38.608,-9.703 38.608,-12.116 36.551,-14.173 31.394,-14.173 26.086,-19.482 26.086,-25.273 20.295,-31.064 20.295,-33.579 19.456,-34.417 16.332,-34.417 13.995,-32.08 13.995,-29.362 19.025,-29.362 23.444,-24.943 23.444,-18.593 23.673,-18.364 23.698,-18.364 25.654,-16.408 25.654,-12.7 ; 7.493,-46.711 7.493,-46.66 ; 27.051,-33.731 27.051,-29.693 30.328,-29.693 31.267,-28.753 31.267,-23.19 35.776,-18.682 35.776,-16.904 37.186,-15.494 38.786,-15.494 39.7,-16.408 39.7,-19.482 34.188,-24.994 34.188,-32.41 31.547,-35.052 28.372,-35.052 27.051,-33.731

## Silkscreen, mask and mechanical layers (free items; w line width, h text height)
Top Overlay:
  text "GND" at 15.469,-6.256 h1.02
  text "5V" at 18.263,-6.248 h1.02
  text "3.3A" at 20.168,-6.435 h1.27
  text "3.3D" at 22.885,-6.435 h1.27
  text "VCC" at 25.578,-6.434 h1.27
  text "GND" at 40.259,-41.3 h1.52 r90
  text "+VBAT" at 40.259,-45.72 h1.52 r90
Bottom Overlay:
  text "VCC" at 18.821,-54.127 h1.27
  text "VBAT" at 23.241,-54.204 h1.27

## Text inside footprints (layer, text, board x,y; h text height)
AS5600: Mechanical 15 "1" at 20.676,-41.264 h0.75
C15: Top Overlay "+" at 20.625,-52.156 h0.76
C16: Top Overlay "+" at 19.101,-54.213 h0.76 r180